# KiCad board uf2-batch-flasher.kicad_pcb (continued)
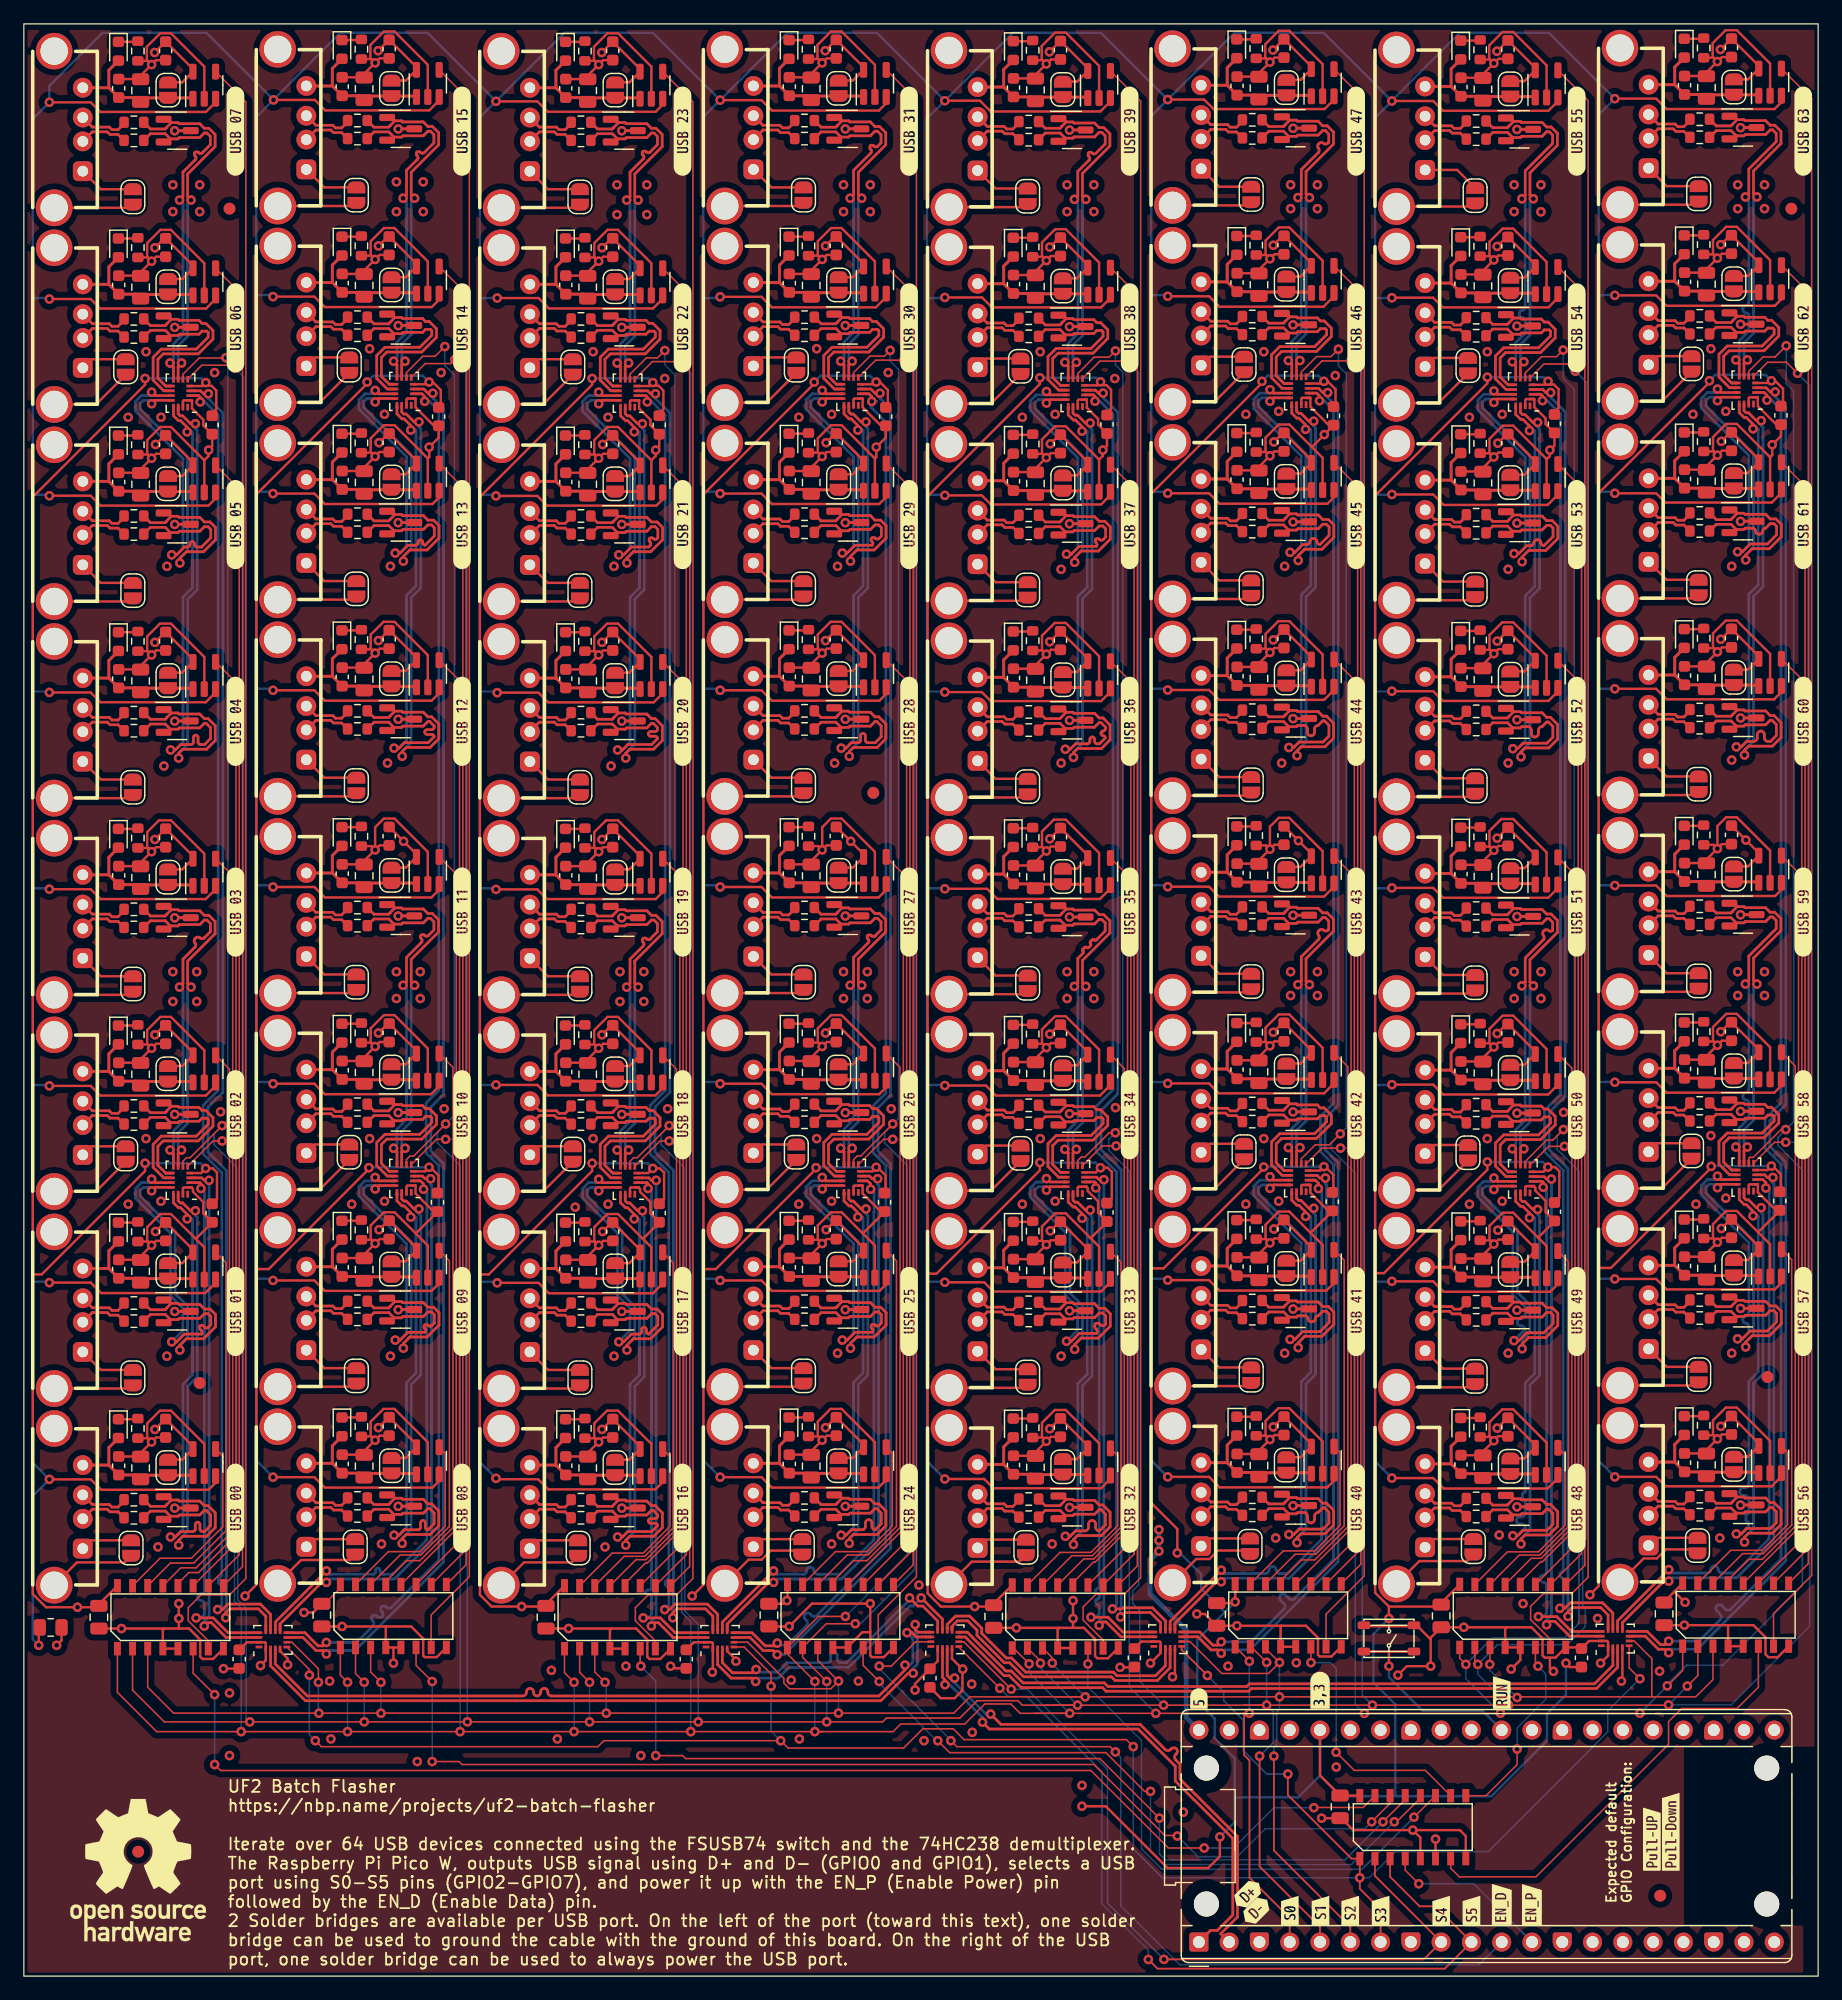
[diagram p0: board, top side]
## Placement (name value [footprint] x y rotation side) (continued)
D6202  PESD2USB3UVT-QR  [SOT-23-3]  106.67 155 0 top
D6301  Green  [LED_0603_1608Metric]  82.99 62.47 270 top
D6302  PESD2USB3UVT-QR  [SOT-23-3]  87.92 55.82 0 top
D6401  Green  [LED_0603_1608Metric]  82.99 161.51 270 top
D6402  PESD2USB3UVT-QR  [SOT-23-3]  87.92 154.85 0 top
D6601  Green  [LED_0603_1608Metric]  120.52 112.05 270 top
D6602  PESD2USB3UVT-QR  [SOT-23-3]  125.45 105.39 0 top
D6701  Green  [LED_0603_1608Metric]  120.52 128.54 270 top
D6702  PESD2USB3UVT-QR  [SOT-23-3]  125.45 121.88 0 top
D6801  Green  [LED_0603_1608Metric]  139.27 79.2 270 top
D6802  PESD2USB3UVT-QR  [SOT-23-3]  144.2 72.54 0 top
D6901  Green  [LED_0603_1608Metric]  120.52 62.52 270 top
D6902  PESD2USB3UVT-QR  [SOT-23-3]  125.45 55.87 0 top
D7001  Green  [LED_0603_1608Metric]  120.52 79.05 270 top
D7002  PESD2USB3UVT-QR  [SOT-23-3]  125.45 72.39 0 top
D7201  Green  [LED_0603_1608Metric]  139.27 112.19 270 top
D7202  PESD2USB3UVT-QR  [SOT-23-3]  144.2 105.54 0 top
D7301  Green  [LED_0603_1608Metric]  139.27 95.69 270 top
D7302  PESD2USB3UVT-QR  [SOT-23-3]  144.2 89.04 0 top
D7401  Green  [LED_0603_1608Metric]  120.52 161.56 270 top
D7402  PESD2USB3UVT-QR  [SOT-23-3]  125.45 154.9 0 top
D7501  Green  [LED_0603_1608Metric]  139.27 46.18 270 top
D7502  PESD2USB3UVT-QR  [SOT-23-3]  144.2 39.52 0 top
D7601  Green  [LED_0603_1608Metric]  139.27 145.22 270 top
D7602  PESD2USB3UVT-QR  [SOT-23-3]  144.2 138.56 0 top
D7701  Green  [LED_0603_1608Metric]  139.27 128.69 270 top
D7702  PESD2USB3UVT-QR  [SOT-23-3]  144.2 122.03 0 top
D7901  Green  [LED_0603_1608Metric]  120.52 145.07 270 top
D7902  PESD2USB3UVT-QR  [SOT-23-3]  125.45 138.41 0 top
D8001  Green  [LED_0603_1608Metric]  120.52 95.54 270 top
D8002  PESD2USB3UVT-QR  [SOT-23-3]  125.45 88.89 0 top
D8201  Green  [LED_0603_1608Metric]  139.27 62.67 270 top
D8202  PESD2USB3UVT-QR  [SOT-23-3]  144.2 56.02 0 top
D8301  Green  [LED_0603_1608Metric]  139.27 161.71 270 top
D8302  PESD2USB3UVT-QR  [SOT-23-3]  144.2 155.05 0 top
D8401  Green  [LED_0603_1608Metric]  120.52 46.03 270 top
D8402  PESD2USB3UVT-QR  [SOT-23-3]  125.45 39.37 0 top
FID101  Fiducial  [Fiducial_1mm_Mask2mm]  17.25 148.25 0 top
FID102  Fiducial  [Fiducial_1mm_Mask2mm]  148.25 148.25 0 top
FID103  Fiducial  [Fiducial_1mm_Mask2mm]  71.25 99.25 0 top
FID104  Fiducial  [Fiducial_1mm_Mask2mm]  146.25 50.25 0 top
FID105  Fiducial  [Fiducial_1mm_Mask2mm]  137.25 6.75 0 top
FID106  Fiducial  [Fiducial_1mm_Mask2mm]  14.75 49.75 0 top
FID107  Fiducial  [Fiducial_1mm_Mask2mm]  9.59 10.44 0 top
J401  USB_A  [USB A - GCT - USB1040 - Vertical]  4.94 39.36 270 top
J501  USB_A  [USB A - GCT - USB1040 - Vertical]  4.94 55.86 270 top
J601  USB_A  [USB A - GCT - USB1040 - Vertical]  4.94 72.39 270 top
J701  USB_A  [USB A - GCT - USB1040 - Vertical]  4.94 88.88 270 top
J901  USB_A  [USB A - GCT - USB1040 - Vertical]  4.94 121.87 270 top
J1001  USB_A  [USB A - GCT - USB1040 - Vertical]  4.94 105.38 270 top
J1101  USB_A  [USB A - GCT - USB1040 - Vertical]  4.94 138.4 270 top
J1201  USB_A  [USB A - GCT - USB1040 - Vertical]  4.94 154.89 270 top
J1401  USB_A  [USB A - GCT - USB1040 - Vertical]  23.69 72.54 270 top
J1501  USB_A  [USB A - GCT - USB1040 - Vertical]  23.69 89.03 270 top
J1601  USB_A  [USB A - GCT - USB1040 - Vertical]  23.69 39.51 270 top
J1701  USB_A  [USB A - GCT - USB1040 - Vertical]  23.69 56.01 270 top
J1901  USB_A  [USB A - GCT - USB1040 - Vertical]  23.69 155.04 270 top
J2001  USB_A  [USB A - GCT - USB1040 - Vertical]  23.69 138.55 270 top
J2101  USB_A  [USB A - GCT - USB1040 - Vertical]  23.69 122.02 270 top
J2201  USB_A  [USB A - GCT - USB1040 - Vertical]  23.69 105.53 270 top
J2401  USB_A  [USB A - GCT - USB1040 - Vertical]  42.44 105.38 270 top
J2501  USB_A  [USB A - GCT - USB1040 - Vertical]  61.19 138.55 270 top
J2601  USB_A  [USB A - GCT - USB1040 - Vertical]  61.19 122.02 270 top
J2801  USB_A  [USB A - GCT - USB1040 - Vertical]  61.19 89.03 270 top
J2901  USB_A  [USB A - GCT - USB1040 - Vertical]  61.19 39.51 270 top
J3001  USB_A  [USB A - GCT - USB1040 - Vertical]  42.44 138.4 270 top
J3201  USB_A  [USB A - GCT - USB1040 - Vertical]  61.19 72.54 270 top
J3301  USB_A  [USB A - GCT - USB1040 - Vertical]  61.19 56.01 270 top
J3401  USB_A  [USB A - GCT - USB1040 - Vertical]  42.44 55.86 270 top
J3601  USB_A  [USB A - GCT - USB1040 - Vertical]  42.44 39.36 270 top
J3701  USB_A  [USB A - GCT - USB1040 - Vertical]  42.44 154.89 270 top
J3801  USB_A  [USB A - GCT - USB1040 - Vertical]  42.44 121.87 270 top
J3901  USB_A  [USB A - GCT - USB1040 - Vertical]  42.44 72.39 270 top
J4101  USB_A  [USB A - GCT - USB1040 - Vertical]  42.44 88.88 270 top
J4201  USB_A  [USB A - GCT - USB1040 - Vertical]  61.19 155.04 270 top
J4301  USB_A  [USB A - GCT - USB1040 - Vertical]  61.19 105.53 270 top
J4501  USB_A  [USB A - GCT - USB1040 - Vertical]  98.75 72.59 270 top
J4601  USB_A  [USB A - GCT - USB1040 - Vertical]  98.75 56.06 270 top
J4701  USB_A  [USB A - GCT - USB1040 - Vertical]  98.75 122.08 270 top
J4901  USB_A  [USB A - GCT - USB1040 - Vertical]  80 39.42 270 top
J5101  USB_A  [USB A - GCT - USB1040 - Vertical]  80 105.43 270 top
J5301  USB_A  [USB A - GCT - USB1040 - Vertical]  98.75 89.08 270 top
J5401  USB_A  [USB A - GCT - USB1040 - Vertical]  98.75 39.57 270 top
J5501  USB_A  [USB A - GCT - USB1040 - Vertical]  80 121.93 270 top
J5601  USB_A  [USB A - GCT - USB1040 - Vertical]  80 138.46 270 top
J5701  USB_A  [USB A - GCT - USB1040 - Vertical]  98.75 105.58 270 top
J5801  USB_A  [USB A - GCT - USB1040 - Vertical]  98.75 138.61 270 top
J6001  USB_A  [USB A - GCT - USB1040 - Vertical]  80 72.44 270 top
J6101  USB_A  [USB A - GCT - USB1040 - Vertical]  80 88.93 270 top
J6201  USB_A  [USB A - GCT - USB1040 - Vertical]  98.75 155.1 270 top
J6301  USB_A  [USB A - GCT - USB1040 - Vertical]  80 55.91 270 top
J6401  USB_A  [USB A - GCT - USB1040 - Vertical]  80 154.95 270 top
J6601  USB_A  [USB A - GCT - USB1040 - Vertical]  117.53 105.48 270 top
J6701  USB_A  [USB A - GCT - USB1040 - Vertical]  117.53 121.98 270 top
J6801  USB_A  [USB A - GCT - USB1040 - Vertical]  136.28 72.64 270 top
J6901  USB_A  [USB A - GCT - USB1040 - Vertical]  117.53 55.96 270 top
J7001  USB_A  [USB A - GCT - USB1040 - Vertical]  117.53 72.49 270 top
J7201  USB_A  [USB A - GCT - USB1040 - Vertical]  136.28 105.63 270 top
J7301  USB_A  [USB A - GCT - USB1040 - Vertical]  136.28 89.13 270 top
J7401  USB_A  [USB A - GCT - USB1040 - Vertical]  117.53 155 270 top
J7501  USB_A  [USB A - GCT - USB1040 - Vertical]  136.28 39.62 270 top
J7601  USB_A  [USB A - GCT - USB1040 - Vertical]  136.28 138.66 270 top
J7701  USB_A  [USB A - GCT - USB1040 - Vertical]  136.28 122.13 270 top
J7901  USB_A  [USB A - GCT - USB1040 - Vertical]  117.53 138.51 270 top
J8001  USB_A  [USB A - GCT - USB1040 - Vertical]  117.53 88.98 270 top
J8201  USB_A  [USB A - GCT - USB1040 - Vertical]  136.28 56.11 270 top
J8301  USB_A  [USB A - GCT - USB1040 - Vertical]  136.28 155.15 270 top
J8401  USB_A  [USB A - GCT - USB1040 - Vertical]  117.53 39.47 270 top
JP401  SolderJumper_2_Open  [SolderJumper-2_P1.3mm_Open_RoundedPad1.0x1.5mm]  8.99 35.91 270 top
JP402  SolderJumper_2_Open  [SolderJumper-2_P1.3mm_Open_RoundedPad1.0x1.5mm]  12.09 42.66 90 top
JP501  SolderJumper_2_Open  [SolderJumper-2_P1.3mm_Open_RoundedPad1.0x1.5mm]  9.14 50.2 270 top
JP502  SolderJumper_2_Open  [SolderJumper-2_P1.3mm_Open_RoundedPad1.0x1.5mm]  12.09 59.16 90 top
JP601  SolderJumper_2_Open  [SolderJumper-2_P1.3mm_Open_RoundedPad1.0x1.5mm]  8.54 68.96 270 top
JP602  SolderJumper_2_Open  [SolderJumper-2_P1.3mm_Open_RoundedPad1.0x1.5mm]  12.09 75.69 90 top
JP701  SolderJumper_2_Open  [SolderJumper-2_P1.3mm_Open_RoundedPad1.0x1.5mm]  9.14 83.22 270 top
JP702  SolderJumper_2_Open  [SolderJumper-2_P1.3mm_Open_RoundedPad1.0x1.5mm]  12.09 92.18 90 top
JP901  SolderJumper_2_Open  [SolderJumper-2_P1.3mm_Open_RoundedPad1.0x1.5mm]  9.14 116.21 270 top
JP902  SolderJumper_2_Open  [SolderJumper-2_P1.3mm_Open_RoundedPad1.0x1.5mm]  12.09 125.17 90 top
JP1001  SolderJumper_2_Open  [SolderJumper-2_P1.3mm_Open_RoundedPad1.0x1.5mm]  9.14 99.72 270 top
JP1002  SolderJumper_2_Open  [SolderJumper-2_P1.3mm_Open_RoundedPad1.0x1.5mm]  12.09 108.68 90 top
JP1101  SolderJumper_2_Open  [SolderJumper-2_P1.3mm_Open_RoundedPad1.0x1.5mm]  8.54 134.97 270 top
JP1102  SolderJumper_2_Open  [SolderJumper-2_P1.3mm_Open_RoundedPad1.0x1.5mm]  12.09 141.7 90 top
JP1201  SolderJumper_2_Open  [SolderJumper-2_P1.3mm_Open_RoundedPad1.0x1.5mm]  9.14 149.23 270 top
JP1202  SolderJumper_2_Open  [SolderJumper-2_P1.3mm_Open_RoundedPad1.0x1.5mm]  12.09 158.19 90 top
JP1401  SolderJumper_2_Open  [SolderJumper-2_P1.3mm_Open_RoundedPad1.0x1.5mm]  27.29 69.11 270 top
JP1402  SolderJumper_2_Open  [SolderJumper-2_P1.3mm_Open_RoundedPad1.0x1.5mm]  30.84 75.84 90 top
JP1501  SolderJumper_2_Open  [SolderJumper-2_P1.3mm_Open_RoundedPad1.0x1.5mm]  27.89 83.37 270 top
JP1502  SolderJumper_2_Open  [SolderJumper-2_P1.3mm_Open_RoundedPad1.0x1.5mm]  30.84 92.33 90 top
JP1601  SolderJumper_2_Open  [SolderJumper-2_P1.3mm_Open_RoundedPad1.0x1.5mm]  27.79 36.01 270 top
JP1602  SolderJumper_2_Open  [SolderJumper-2_P1.3mm_Open_RoundedPad1.0x1.5mm]  30.84 42.81 90 top
JP1701  SolderJumper_2_Open  [SolderJumper-2_P1.3mm_Open_RoundedPad1.0x1.5mm]  27.89 50.35 270 top
JP1702  SolderJumper_2_Open  [SolderJumper-2_P1.3mm_Open_RoundedPad1.0x1.5mm]  30.84 59.31 90 top
JP1901  SolderJumper_2_Open  [SolderJumper-2_P1.3mm_Open_RoundedPad1.0x1.5mm]  27.89 149.38 270 top
JP1902  SolderJumper_2_Open  [SolderJumper-2_P1.3mm_Open_RoundedPad1.0x1.5mm]  30.84 158.34 90 top
JP2001  SolderJumper_2_Open  [SolderJumper-2_P1.3mm_Open_RoundedPad1.0x1.5mm]  27.29 135.12 270 top
JP2002  SolderJumper_2_Open  [SolderJumper-2_P1.3mm_Open_RoundedPad1.0x1.5mm]  30.84 141.85 90 top
JP2101  SolderJumper_2_Open  [SolderJumper-2_P1.3mm_Open_RoundedPad1.0x1.5mm]  27.89 116.36 270 top
JP2102  SolderJumper_2_Open  [SolderJumper-2_P1.3mm_Open_RoundedPad1.0x1.5mm]  30.84 125.32 90 top
JP2201  SolderJumper_2_Open  [SolderJumper-2_P1.3mm_Open_RoundedPad1.0x1.5mm]  27.89 99.87 270 top
JP2202  SolderJumper_2_Open  [SolderJumper-2_P1.3mm_Open_RoundedPad1.0x1.5mm]  30.84 108.83 90 top
JP2401  SolderJumper_2_Open  [SolderJumper-2_P1.3mm_Open_RoundedPad1.0x1.5mm]  46.64 99.72 270 top
JP2402  SolderJumper_2_Open  [SolderJumper-2_P1.3mm_Open_RoundedPad1.0x1.5mm]  49.59 108.68 90 top
JP2501  SolderJumper_2_Open  [SolderJumper-2_P1.3mm_Open_RoundedPad1.0x1.5mm]  64.79 135.12 270 top
JP2502  SolderJumper_2_Open  [SolderJumper-2_P1.3mm_Open_RoundedPad1.0x1.5mm]  68.34 141.85 90 top
JP2601  SolderJumper_2_Open  [SolderJumper-2_P1.3mm_Open_RoundedPad1.0x1.5mm]  65.39 116.36 270 top
JP2602  SolderJumper_2_Open  [SolderJumper-2_P1.3mm_Open_RoundedPad1.0x1.5mm]  68.34 125.32 90 top
JP2801  SolderJumper_2_Open  [SolderJumper-2_P1.3mm_Open_RoundedPad1.0x1.5mm]  65.39 83.37 270 top
JP2802  SolderJumper_2_Open  [SolderJumper-2_P1.3mm_Open_RoundedPad1.0x1.5mm]  68.34 92.33 90 top
JP2901  SolderJumper_2_Open  [SolderJumper-2_P1.3mm_Open_RoundedPad1.0x1.5mm]  65.29 36.01 270 top
JP2902  SolderJumper_2_Open  [SolderJumper-2_P1.3mm_Open_RoundedPad1.0x1.5mm]  68.34 42.81 90 top
JP3001  SolderJumper_2_Open  [SolderJumper-2_P1.3mm_Open_RoundedPad1.0x1.5mm]  46.04 134.97 270 top
JP3002  SolderJumper_2_Open  [SolderJumper-2_P1.3mm_Open_RoundedPad1.0x1.5mm]  49.59 141.7 90 top
JP3201  SolderJumper_2_Open  [SolderJumper-2_P1.3mm_Open_RoundedPad1.0x1.5mm]  64.79 69.11 270 top
JP3202  SolderJumper_2_Open  [SolderJumper-2_P1.3mm_Open_RoundedPad1.0x1.5mm]  68.34 75.84 90 top
JP3301  SolderJumper_2_Open  [SolderJumper-2_P1.3mm_Open_RoundedPad1.0x1.5mm]  65.39 50.35 270 top
JP3302  SolderJumper_2_Open  [SolderJumper-2_P1.3mm_Open_RoundedPad1.0x1.5mm]  68.34 59.31 90 top
JP3401  SolderJumper_2_Open  [SolderJumper-2_P1.3mm_Open_RoundedPad1.0x1.5mm]  46.64 50.2 270 top
JP3402  SolderJumper_2_Open  [SolderJumper-2_P1.3mm_Open_RoundedPad1.0x1.5mm]  49.59 59.16 90 top
JP3601  SolderJumper_2_Open  [SolderJumper-2_P1.3mm_Open_RoundedPad1.0x1.5mm]  46.49 35.91 270 top
JP3602  SolderJumper_2_Open  [SolderJumper-2_P1.3mm_Open_RoundedPad1.0x1.5mm]  49.59 42.66 90 top
JP3701  SolderJumper_2_Open  [SolderJumper-2_P1.3mm_Open_RoundedPad1.0x1.5mm]  46.64 149.23 270 top
JP3702  SolderJumper_2_Open  [SolderJumper-2_P1.3mm_Open_RoundedPad1.0x1.5mm]  49.59 158.19 90 top
JP3801  SolderJumper_2_Open  [SolderJumper-2_P1.3mm_Open_RoundedPad1.0x1.5mm]  46.64 116.21 270 top
JP3802  SolderJumper_2_Open  [SolderJumper-2_P1.3mm_Open_RoundedPad1.0x1.5mm]  49.59 125.17 90 top
JP3901  SolderJumper_2_Open  [SolderJumper-2_P1.3mm_Open_RoundedPad1.0x1.5mm]  46.04 68.96 270 top
JP3902  SolderJumper_2_Open  [SolderJumper-2_P1.3mm_Open_RoundedPad1.0x1.5mm]  49.59 75.69 90 top
JP4101  SolderJumper_2_Open  [SolderJumper-2_P1.3mm_Open_RoundedPad1.0x1.5mm]  46.64 83.22 270 top
JP4102  SolderJumper_2_Open  [SolderJumper-2_P1.3mm_Open_RoundedPad1.0x1.5mm]  49.59 92.18 90 top
JP4201  SolderJumper_2_Open  [SolderJumper-2_P1.3mm_Open_RoundedPad1.0x1.5mm]  65.39 149.38 270 top
JP4202  SolderJumper_2_Open  [SolderJumper-2_P1.3mm_Open_RoundedPad1.0x1.5mm]  68.34 158.34 90 top
JP4301  SolderJumper_2_Open  [SolderJumper-2_P1.3mm_Open_RoundedPad1.0x1.5mm]  65.39 99.87 270 top
JP4302  SolderJumper_2_Open  [SolderJumper-2_P1.3mm_Open_RoundedPad1.0x1.5mm]  68.34 108.83 90 top
JP4501  SolderJumper_2_Open  [SolderJumper-2_P1.3mm_Open_RoundedPad1.0x1.5mm]  102.35 69.16 270 top
JP4502  SolderJumper_2_Open  [SolderJumper-2_P1.3mm_Open_RoundedPad1.0x1.5mm]  105.9 75.89 90 top
JP4601  SolderJumper_2_Open  [SolderJumper-2_P1.3mm_Open_RoundedPad1.0x1.5mm]  102.95 50.4 270 top
JP4602  SolderJumper_2_Open  [SolderJumper-2_P1.3mm_Open_RoundedPad1.0x1.5mm]  105.9 59.36 90 top
JP4701  SolderJumper_2_Open  [SolderJumper-2_P1.3mm_Open_RoundedPad1.0x1.5mm]  102.95 116.42 270 top
JP4702  SolderJumper_2_Open  [SolderJumper-2_P1.3mm_Open_RoundedPad1.0x1.5mm]  105.9 125.38 90 top
JP4901  SolderJumper_2_Open  [SolderJumper-2_P1.3mm_Open_RoundedPad1.0x1.5mm]  84.05 35.96 270 top
JP4902  SolderJumper_2_Open  [SolderJumper-2_P1.3mm_Open_RoundedPad1.0x1.5mm]  87.15 42.72 90 top
JP5101  SolderJumper_2_Open  [SolderJumper-2_P1.3mm_Open_RoundedPad1.0x1.5mm]  84.2 99.77 270 top
JP5102  SolderJumper_2_Open  [SolderJumper-2_P1.3mm_Open_RoundedPad1.0x1.5mm]  87.15 108.73 90 top
JP5301  SolderJumper_2_Open  [SolderJumper-2_P1.3mm_Open_RoundedPad1.0x1.5mm]  102.95 83.42 270 top
JP5302  SolderJumper_2_Open  [SolderJumper-2_P1.3mm_Open_RoundedPad1.0x1.5mm]  105.9 92.38 90 top
JP5401  SolderJumper_2_Open  [SolderJumper-2_P1.3mm_Open_RoundedPad1.0x1.5mm]  102.85 36.06 270 top
JP5402  SolderJumper_2_Open  [SolderJumper-2_P1.3mm_Open_RoundedPad1.0x1.5mm]  105.9 42.87 90 top
JP5501  SolderJumper_2_Open  [SolderJumper-2_P1.3mm_Open_RoundedPad1.0x1.5mm]  84.2 116.27 270 top
JP5502  SolderJumper_2_Open  [SolderJumper-2_P1.3mm_Open_RoundedPad1.0x1.5mm]  87.15 125.23 90 top
JP5601  SolderJumper_2_Open  [SolderJumper-2_P1.3mm_Open_RoundedPad1.0x1.5mm]  83.6 135.03 270 top
JP5602  SolderJumper_2_Open  [SolderJumper-2_P1.3mm_Open_RoundedPad1.0x1.5mm]  87.15 141.76 90 top
JP5701  SolderJumper_2_Open  [SolderJumper-2_P1.3mm_Open_RoundedPad1.0x1.5mm]  102.95 99.92 270 top
JP5702  SolderJumper_2_Open  [SolderJumper-2_P1.3mm_Open_RoundedPad1.0x1.5mm]  105.9 108.88 90 top
JP5801  SolderJumper_2_Open  [SolderJumper-2_P1.3mm_Open_RoundedPad1.0x1.5mm]  102.35 135.18 270 top
JP5802  SolderJumper_2_Open  [SolderJumper-2_P1.3mm_Open_RoundedPad1.0x1.5mm]  105.9 141.91 90 top
JP6001  SolderJumper_2_Open  [SolderJumper-2_P1.3mm_Open_RoundedPad1.0x1.5mm]  83.6 69.01 270 top
JP6002  SolderJumper_2_Open  [SolderJumper-2_P1.3mm_Open_RoundedPad1.0x1.5mm]  87.15 75.74 90 top
JP6101  SolderJumper_2_Open  [SolderJumper-2_P1.3mm_Open_RoundedPad1.0x1.5mm]  84.2 83.27 270 top
JP6102  SolderJumper_2_Open  [SolderJumper-2_P1.3mm_Open_RoundedPad1.0x1.5mm]  87.15 92.23 90 top
JP6201  SolderJumper_2_Open  [SolderJumper-2_P1.3mm_Open_RoundedPad1.0x1.5mm]  102.95 149.44 270 top
JP6202  SolderJumper_2_Open  [SolderJumper-2_P1.3mm_Open_RoundedPad1.0x1.5mm]  105.9 158.4 90 top
JP6301  SolderJumper_2_Open  [SolderJumper-2_P1.3mm_Open_RoundedPad1.0x1.5mm]  84.2 50.25 270 top
JP6302  SolderJumper_2_Open  [SolderJumper-2_P1.3mm_Open_RoundedPad1.0x1.5mm]  87.15 59.21 90 top
JP6401  SolderJumper_2_Open  [SolderJumper-2_P1.3mm_Open_RoundedPad1.0x1.5mm]  84.2 149.29 270 top
JP6402  SolderJumper_2_Open  [SolderJumper-2_P1.3mm_Open_RoundedPad1.0x1.5mm]  87.15 158.25 90 top
JP6601  SolderJumper_2_Open  [SolderJumper-2_P1.3mm_Open_RoundedPad1.0x1.5mm]  121.73 99.83 270 top
JP6602  SolderJumper_2_Open  [SolderJumper-2_P1.3mm_Open_RoundedPad1.0x1.5mm]  124.68 108.78 90 top
JP6701  SolderJumper_2_Open  [SolderJumper-2_P1.3mm_Open_RoundedPad1.0x1.5mm]  121.73 116.32 270 top
JP6702  SolderJumper_2_Open  [SolderJumper-2_P1.3mm_Open_RoundedPad1.0x1.5mm]  124.68 125.28 90 top
JP6801  SolderJumper_2_Open  [SolderJumper-2_P1.3mm_Open_RoundedPad1.0x1.5mm]  139.88 69.21 270 top
JP6802  SolderJumper_2_Open  [SolderJumper-2_P1.3mm_Open_RoundedPad1.0x1.5mm]  143.43 75.94 90 top
JP6901  SolderJumper_2_Open  [SolderJumper-2_P1.3mm_Open_RoundedPad1.0x1.5mm]  121.73 50.3 270 top
JP6902  SolderJumper_2_Open  [SolderJumper-2_P1.3mm_Open_RoundedPad1.0x1.5mm]  124.68 59.26 90 top
JP7001  SolderJumper_2_Open  [SolderJumper-2_P1.3mm_Open_RoundedPad1.0x1.5mm]  121.13 69.06 270 top
JP7002  SolderJumper_2_Open  [SolderJumper-2_P1.3mm_Open_RoundedPad1.0x1.5mm]  124.68 75.79 90 top
JP7201  SolderJumper_2_Open  [SolderJumper-2_P1.3mm_Open_RoundedPad1.0x1.5mm]  140.48 99.97 270 top
JP7202  SolderJumper_2_Open  [SolderJumper-2_P1.3mm_Open_RoundedPad1.0x1.5mm]  143.43 108.94 90 top
JP7301  SolderJumper_2_Open  [SolderJumper-2_P1.3mm_Open_RoundedPad1.0x1.5mm]  140.48 83.47 270 top
JP7302  SolderJumper_2_Open  [SolderJumper-2_P1.3mm_Open_RoundedPad1.0x1.5mm]  143.43 92.44 90 top
JP7401  SolderJumper_2_Open  [SolderJumper-2_P1.3mm_Open_RoundedPad1.0x1.5mm]  121.73 149.34 270 top
JP7402  SolderJumper_2_Open  [SolderJumper-2_P1.3mm_Open_RoundedPad1.0x1.5mm]  124.68 158.3 90 top
JP7501  SolderJumper_2_Open  [SolderJumper-2_P1.3mm_Open_RoundedPad1.0x1.5mm]  140.38 36.11 270 top
JP7502  SolderJumper_2_Open  [SolderJumper-2_P1.3mm_Open_RoundedPad1.0x1.5mm]  143.43 42.92 90 top
JP7601  SolderJumper_2_Open  [SolderJumper-2_P1.3mm_Open_RoundedPad1.0x1.5mm]  139.88 135.23 270 top
JP7602  SolderJumper_2_Open  [SolderJumper-2_P1.3mm_Open_RoundedPad1.0x1.5mm]  143.43 141.96 90 top
JP7701  SolderJumper_2_Open  [SolderJumper-2_P1.3mm_Open_RoundedPad1.0x1.5mm]  140.48 116.47 270 top
JP7702  SolderJumper_2_Open  [SolderJumper-2_P1.3mm_Open_RoundedPad1.0x1.5mm]  143.43 125.43 90 top
JP7901  SolderJumper_2_Open  [SolderJumper-2_P1.3mm_Open_RoundedPad1.0x1.5mm]  121.13 135.08 270 top
JP7902  SolderJumper_2_Open  [SolderJumper-2_P1.3mm_Open_RoundedPad1.0x1.5mm]  124.68 141.81 90 top
JP8001  SolderJumper_2_Open  [SolderJumper-2_P1.3mm_Open_RoundedPad1.0x1.5mm]  121.73 83.32 270 top
JP8002  SolderJumper_2_Open  [SolderJumper-2_P1.3mm_Open_RoundedPad1.0x1.5mm]  124.68 92.28 90 top
JP8201  SolderJumper_2_Open  [SolderJumper-2_P1.3mm_Open_RoundedPad1.0x1.5mm]  140.48 50.46 270 top
JP8202  SolderJumper_2_Open  [SolderJumper-2_P1.3mm_Open_RoundedPad1.0x1.5mm]  143.43 59.41 90 top
JP8301  SolderJumper_2_Open  [SolderJumper-2_P1.3mm_Open_RoundedPad1.0x1.5mm]  140.48 149.49 270 top
JP8302  SolderJumper_2_Open  [SolderJumper-2_P1.3mm_Open_RoundedPad1.0x1.5mm]  143.43 158.45 90 top
JP8401  SolderJumper_2_Open  [SolderJumper-2_P1.3mm_Open_RoundedPad1.0x1.5mm]  121.58 36.01 270 top
JP8402  SolderJumper_2_Open  [SolderJumper-2_P1.3mm_Open_RoundedPad1.0x1.5mm]  124.68 42.77 90 top
kibuzzard-652C6B7F  G***  [kibuzzard-652C6B7F]  138.14 12.12 90 top
kibuzzard-652C6B72  G***  [kibuzzard-652C6B72]  136.55 11.49 90 top
kibuzzard-652C6BB1  G***  [kibuzzard-652C6BB1]  102.65 6.87 45 top
kibuzzard-652C6BBD  G***  [kibuzzard-652C6BBD]  103.37 5.49 45 top
kibuzzard-652C6C3D  G***  [kibuzzard-652C6C3D]  108.76 5.52 90 top
kibuzzard-652C6C4A  G***  [kibuzzard-652C6C4A]  106.19 5.52 90 top
kibuzzard-652C6C58  G***  [kibuzzard-652C6C58]  111.25 5.52 90 top
kibuzzard-652C6C74  G***  [kibuzzard-652C6C74]  113.8 5.52 90 top
kibuzzard-652C6C94  G***  [kibuzzard-652C6C94]  118.88 5.52 90 top
kibuzzard-652C6CAC  G***  [kibuzzard-652C6CAC]  121.42 5.52 90 top
kibuzzard-652C6CE5  G***  [kibuzzard-652C6CE5]  123.96 6.02 90 top
kibuzzard-652C6D02  G***  [kibuzzard-652C6D02]  126.49 6.01 90 top
kibuzzard-652C6D83  G***  [kibuzzard-652C6D83]  123.96 23.79 90 top
kibuzzard-652C6DB4  G***  [kibuzzard-652C6DB4]  108.72 23.98 90 top
kibuzzard-652C6DDB  G***  [kibuzzard-652C6DDB]  98.56 23.29 90 top
kibuzzard-652C11D0  G***  [kibuzzard-652C11D0]  17.75 154.75 90 top
kibuzzard-652C11D9  G***  [kibuzzard-652C11D9]  17.75 138.25 90 top
kibuzzard-652C11EE  G***  [kibuzzard-652C11EE]  17.75 121.75 90 top
kibuzzard-652C11F7  G***  [kibuzzard-652C11F7]  17.75 105.25 90 top
kibuzzard-652C12E1  G***  [kibuzzard-652C12E1]  36.75 39.25 90 top
kibuzzard-652C13A5  G***  [kibuzzard-652C13A5]  74.25 55.75 90 top
kibuzzard-652C13AB  G***  [kibuzzard-652C13AB]  74.25 72.25 90 top
kibuzzard-652C13B3  G***  [kibuzzard-652C13B3]  74.25 89.25 90 top
kibuzzard-652C13C1  G***  [kibuzzard-652C13C1]  74.25 105.25 90 top
kibuzzard-652C13C6  G***  [kibuzzard-652C13C6]  74.25 121.75 90 top
kibuzzard-652C13CF  G***  [kibuzzard-652C13CF]  74.25 138.25 90 top
kibuzzard-652C13D6  G***  [kibuzzard-652C13D6]  74.25 154.75 90 top
kibuzzard-652C13E2  G***  [kibuzzard-652C13E2]  92.75 39.25 90 top
kibuzzard-652C13E8  G***  [kibuzzard-652C13E8]  92.75 55.75 90 top
kibuzzard-652C13EE  G***  [kibuzzard-652C13EE]  92.75 72.25 90 top
kibuzzard-652C13F4  G***  [kibuzzard-652C13F4]  92.75 89.25 90 top
kibuzzard-652C13FB  G***  [kibuzzard-652C13FB]  92.75 105.25 90 top
kibuzzard-652C13FF  G***  [kibuzzard-652C13FF]  92.75 121.75 90 top
kibuzzard-652C14A0  G***  [kibuzzard-652C14A0]  149.25 89.25 90 top
kibuzzard-652C14A5  G***  [kibuzzard-652C14A5]  149.25 105.25 90 top
kibuzzard-652C14AA  G***  [kibuzzard-652C14AA]  149.25 121.75 90 top
kibuzzard-652C14B3  G***  [kibuzzard-652C14B3]  149.25 138.25 90 top
kibuzzard-652C14C1  G***  [kibuzzard-652C14C1]  149.25 154.75 90 top
kibuzzard-652C121B  G***  [kibuzzard-652C121B]  17.75 55.75 90 top
kibuzzard-652C130C  G***  [kibuzzard-652C130C]  36.75 72.25 90 top
kibuzzard-652C131C  G***  [kibuzzard-652C131C]  36.75 105.25 90 top
kibuzzard-652C132A  G***  [kibuzzard-652C132A]  36.75 138.25 90 top
kibuzzard-652C133D  G***  [kibuzzard-652C133D]  36.75 154.75 90 top
kibuzzard-652C139E  G***  [kibuzzard-652C139E]  74.25 39.25 90 top
kibuzzard-652C140E  G***  [kibuzzard-652C140E]  92.75 154.75 90 top
kibuzzard-652C142B  G***  [kibuzzard-652C142B]  111.75 72.25 90 top
kibuzzard-652C143C  G***  [kibuzzard-652C143C]  111.75 121.75 90 top
kibuzzard-652C145D  G***  [kibuzzard-652C145D]  130.25 72.25 90 top
kibuzzard-652C147C  G***  [kibuzzard-652C147C]  130.25 154.75 90 top
kibuzzard-652C148E  G***  [kibuzzard-652C148E]  149.25 39.25 90 top
kibuzzard-652C1210  G***  [kibuzzard-652C1210]  17.75 72.25 90 top
kibuzzard-652C1225  G***  [kibuzzard-652C1225]  17.75 39.25 90 top
kibuzzard-652C1235  G***  [kibuzzard-652C1235]  17.75 89.25 90 top
kibuzzard-652C1305  G***  [kibuzzard-652C1305]  36.75 55.75 90 top
kibuzzard-652C1312  G***  [kibuzzard-652C1312]  36.75 89.25 90 top
kibuzzard-652C1332  G***  [kibuzzard-652C1332]  36.75 121.75 90 top
kibuzzard-652C1349  G***  [kibuzzard-652C1349]  55.25 39.25 90 top
kibuzzard-652C1351  G***  [kibuzzard-652C1351]  55.25 55.75 90 top
kibuzzard-652C1359  G***  [kibuzzard-652C1359]  55.25 72.25 90 top
kibuzzard-652C1366  G***  [kibuzzard-652C1366]  55.25 89.25 90 top
kibuzzard-652C1370  G***  [kibuzzard-652C1370]  55.25 105.25 90 top
kibuzzard-652C1379  G***  [kibuzzard-652C1379]  55.25 121.75 90 top
kibuzzard-652C1380  G***  [kibuzzard-652C1380]  55.25 138.25 90 top
kibuzzard-652C1387  G***  [kibuzzard-652C1387]  55.25 154.75 90 top
kibuzzard-652C1406  G***  [kibuzzard-652C1406]  92.75 138.25 90 top
kibuzzard-652C1420  G***  [kibuzzard-652C1420]  111.75 39.25 90 top
kibuzzard-652C1426  G***  [kibuzzard-652C1426]  111.75 55.75 90 top
kibuzzard-652C1431  G***  [kibuzzard-652C1431]  111.75 89.25 90 top
kibuzzard-652C1437  G***  [kibuzzard-652C1437]  111.75 105.25 90 top
kibuzzard-652C1443  G***  [kibuzzard-652C1443]  111.75 138.25 90 top
kibuzzard-652C1448  G***  [kibuzzard-652C1448]  111.75 154.75 90 top
kibuzzard-652C1451  G***  [kibuzzard-652C1451]  130.25 39.25 90 top
kibuzzard-652C1457  G***  [kibuzzard-652C1457]  130.25 55.75 90 top
kibuzzard-652C1462  G***  [kibuzzard-652C1462]  130.25 89.25 90 top
kibuzzard-652C1468  G***  [kibuzzard-652C1468]  130.25 105.25 90 top
kibuzzard-652C1471  G***  [kibuzzard-652C1471]  130.25 121.75 90 top
kibuzzard-652C1477  G***  [kibuzzard-652C1477]  130.25 138.25 90 top
kibuzzard-652C1494  G***  [kibuzzard-652C1494]  149.25 55.75 90 top
kibuzzard-652C1499  G***  [kibuzzard-652C1499]  149.25 72.25 90 top
R101  10 kOhm  [R_0805_2012Metric]  2.25 29.25 180 top
R401  120 Ohm  [R_0603_1608Metric]  9.56 45.94 270 top
R403  2.2 Ohm  [R_0603_1608Metric]  9.23 38.44 0 top
R404  2.2 Ohm  [R_0603_1608Metric]  9.23 39.96 0 top
R502  120 Ohm  [R_0603_1608Metric]  9.56 62.44 270 top
R503  2.2 Ohm  [R_0603_1608Metric]  9.23 54.94 0 top
R504  2.2 Ohm  [R_0603_1608Metric]  9.23 56.46 0 top
R602  120 Ohm  [R_0603_1608Metric]  9.56 78.97 270 top
R603  2.2 Ohm  [R_0603_1608Metric]  9.23 71.47 0 top
R604  2.2 Ohm  [R_0603_1608Metric]  9.23 72.99 0 top
R702  120 Ohm  [R_0603_1608Metric]  9.56 95.46 270 top
R703  2.2 Ohm  [R_0603_1608Metric]  9.23 87.96 0 top
R704  2.2 Ohm  [R_0603_1608Metric]  9.23 89.48 0 top
R902  120 Ohm  [R_0603_1608Metric]  9.56 128.45 270 top
R903  2.2 Ohm  [R_0603_1608Metric]  9.23 120.95 0 top
R904  2.2 Ohm  [R_0603_1608Metric]  9.23 122.47 0 top
R1002  120 Ohm  [R_0603_1608Metric]  9.56 111.96 270 top
R1003  2.2 Ohm  [R_0603_1608Metric]  9.23 104.46 0 top
R1004  2.2 Ohm  [R_0603_1608Metric]  9.23 105.98 0 top
R1102  120 Ohm  [R_0603_1608Metric]  9.56 144.98 270 top
R1103  2.2 Ohm  [R_0603_1608Metric]  9.23 137.48 0 top
R1104  2.2 Ohm  [R_0603_1608Metric]  9.23 139 0 top
R1202  120 Ohm  [R_0603_1608Metric]  9.56 161.47 270 top
R1203  2.2 Ohm  [R_0603_1608Metric]  9.23 153.97 0 top
R1204  2.2 Ohm  [R_0603_1608Metric]  9.23 155.49 0 top
R1402  120 Ohm  [R_0603_1608Metric]  28.31 79.12 270 top
R1403  2.2 Ohm  [R_0603_1608Metric]  27.98 71.62 0 top
R1404  2.2 Ohm  [R_0603_1608Metric]  27.98 73.14 0 top
R1502  120 Ohm  [R_0603_1608Metric]  28.31 95.61 270 top
R1503  2.2 Ohm  [R_0603_1608Metric]  27.98 88.11 0 top
R1504  2.2 Ohm  [R_0603_1608Metric]  27.98 89.63 0 top
R1602  120 Ohm  [R_0603_1608Metric]  28.31 46.09 270 top
R1603  2.2 Ohm  [R_0603_1608Metric]  27.98 38.59 0 top
R1604  2.2 Ohm  [R_0603_1608Metric]  27.98 40.11 0 top
R1702  120 Ohm  [R_0603_1608Metric]  28.31 62.59 270 top
R1703  2.2 Ohm  [R_0603_1608Metric]  27.98 55.09 0 top
R1704  2.2 Ohm  [R_0603_1608Metric]  27.98 56.61 0 top
R1902  120 Ohm  [R_0603_1608Metric]  28.31 161.62 270 top
R1903  2.2 Ohm  [R_0603_1608Metric]  27.98 154.12 0 top
R1904  2.2 Ohm  [R_0603_1608Metric]  27.98 155.64 0 top
R2002  120 Ohm  [R_0603_1608Metric]  28.31 145.13 270 top
R2003  2.2 Ohm  [R_0603_1608Metric]  27.98 137.63 0 top
R2004  2.2 Ohm  [R_0603_1608Metric]  27.98 139.15 0 top
R2102  120 Ohm  [R_0603_1608Metric]  28.31 128.6 270 top
R2103  2.2 Ohm  [R_0603_1608Metric]  27.98 121.1 0 top
R2104  2.2 Ohm  [R_0603_1608Metric]  27.98 122.62 0 top
R2202  120 Ohm  [R_0603_1608Metric]  28.31 112.11 270 top
R2203  2.2 Ohm  [R_0603_1608Metric]  27.98 104.61 0 top
R2204  2.2 Ohm  [R_0603_1608Metric]  27.98 106.13 0 top
R2402  120 Ohm  [R_0603_1608Metric]  47.06 111.96 270 top
R2403  2.2 Ohm  [R_0603_1608Metric]  46.73 104.46 0 top
R2404  2.2 Ohm  [R_0603_1608Metric]  46.73 105.98 0 top
R2502  120 Ohm  [R_0603_1608Metric]  65.81 145.13 270 top
R2503  2.2 Ohm  [R_0603_1608Metric]  65.48 137.63 0 top
R2504  2.2 Ohm  [R_0603_1608Metric]  65.48 139.15 0 top
R2602  120 Ohm  [R_0603_1608Metric]  65.81 128.6 270 top
R2603  2.2 Ohm  [R_0603_1608Metric]  65.48 121.1 0 top
R2604  2.2 Ohm  [R_0603_1608Metric]  65.48 122.62 0 top
R2802  120 Ohm  [R_0603_1608Metric]  65.81 95.61 270 top
R2803  2.2 Ohm  [R_0603_1608Metric]  65.48 88.11 0 top
R2804  2.2 Ohm  [R_0603_1608Metric]  65.48 89.63 0 top
R2902  120 Ohm  [R_0603_1608Metric]  65.81 46.09 270 top
R2903  2.2 Ohm  [R_0603_1608Metric]  65.48 38.59 0 top
R2904  2.2 Ohm  [R_0603_1608Metric]  65.48 40.11 0 top
R3002  120 Ohm  [R_0603_1608Metric]  47.06 144.98 270 top
R3003  2.2 Ohm  [R_0603_1608Metric]  46.73 137.48 0 top
R3004  2.2 Ohm  [R_0603_1608Metric]  46.73 139 0 top
R3202  120 Ohm  [R_0603_1608Metric]  65.81 79.12 270 top
R3203  2.2 Ohm  [R_0603_1608Metric]  65.48 71.62 0 top
R3204  2.2 Ohm  [R_0603_1608Metric]  65.48 73.14 0 top
R3302  120 Ohm  [R_0603_1608Metric]  65.81 62.59 270 top
R3303  2.2 Ohm  [R_0603_1608Metric]  65.48 55.09 0 top
R3304  2.2 Ohm  [R_0603_1608Metric]  65.48 56.61 0 top
R3402  120 Ohm  [R_0603_1608Metric]  47.06 62.44 270 top
R3403  2.2 Ohm  [R_0603_1608Metric]  46.73 54.94 0 top
R3404  2.2 Ohm  [R_0603_1608Metric]  46.73 56.46 0 top
R3602  120 Ohm  [R_0603_1608Metric]  47.06 45.94 270 top
R3603  2.2 Ohm  [R_0603_1608Metric]  46.73 38.44 0 top
R3604  2.2 Ohm  [R_0603_1608Metric]  46.73 39.96 0 top
R3702  120 Ohm  [R_0603_1608Metric]  47.06 161.47 270 top
R3703  2.2 Ohm  [R_0603_1608Metric]  46.73 153.97 0 top
R3704  2.2 Ohm  [R_0603_1608Metric]  46.73 155.49 0 top
R3802  120 Ohm  [R_0603_1608Metric]  47.06 128.45 270 top
R3803  2.2 Ohm  [R_0603_1608Metric]  46.73 120.95 0 top
R3804  2.2 Ohm  [R_0603_1608Metric]  46.73 122.47 0 top
R3902  120 Ohm  [R_0603_1608Metric]  47.06 78.97 270 top
R3903  2.2 Ohm  [R_0603_1608Metric]  46.73 71.47 0 top
R3904  2.2 Ohm  [R_0603_1608Metric]  46.73 72.99 0 top
R4102  120 Ohm  [R_0603_1608Metric]  47.06 95.46 270 top
R4103  2.2 Ohm  [R_0603_1608Metric]  46.73 87.96 0 top
R4104  2.2 Ohm  [R_0603_1608Metric]  46.73 89.48 0 top
R4202  120 Ohm  [R_0603_1608Metric]  65.81 161.62 270 top
R4203  2.2 Ohm  [R_0603_1608Metric]  65.48 154.12 0 top
R4204  2.2 Ohm  [R_0603_1608Metric]  65.48 155.64 0 top
R4302  120 Ohm  [R_0603_1608Metric]  65.81 112.11 270 top
R4303  2.2 Ohm  [R_0603_1608Metric]  65.48 104.61 0 top
R4304  2.2 Ohm  [R_0603_1608Metric]  65.48 106.13 0 top
R4502  120 Ohm  [R_0603_1608Metric]  103.37 79.17 270 top
R4503  2.2 Ohm  [R_0603_1608Metric]  103.04 71.67 0 top
R4504  2.2 Ohm  [R_0603_1608Metric]  103.04 73.19 0 top
R4602  120 Ohm  [R_0603_1608Metric]  103.37 62.64 270 top
R4603  2.2 Ohm  [R_0603_1608Metric]  103.04 55.15 0 top
R4604  2.2 Ohm  [R_0603_1608Metric]  103.04 56.67 0 top
R4702  120 Ohm  [R_0603_1608Metric]  103.37 128.66 270 top
R4703  2.2 Ohm  [R_0603_1608Metric]  103.04 121.16 0 top
R4704  2.2 Ohm  [R_0603_1608Metric]  103.04 122.68 0 top
R4902  120 Ohm  [R_0603_1608Metric]  84.62 46 270 top
R4903  2.2 Ohm  [R_0603_1608Metric]  84.29 38.5 0 top
R4904  2.2 Ohm  [R_0603_1608Metric]  84.29 40.02 0 top
R5102  120 Ohm  [R_0603_1608Metric]  84.62 112.01 270 top
R5103  2.2 Ohm  [R_0603_1608Metric]  84.29 104.52 0 top
R5104  2.2 Ohm  [R_0603_1608Metric]  84.29 106.04 0 top
R5302  120 Ohm  [R_0603_1608Metric]  103.37 95.66 270 top
R5303  2.2 Ohm  [R_0603_1608Metric]  103.04 88.17 0 top
R5304  2.2 Ohm  [R_0603_1608Metric]  103.04 89.69 0 top
R5402  120 Ohm  [R_0603_1608Metric]  103.37 46.15 270 top
R5403  2.2 Ohm  [R_0603_1608Metric]  103.04 38.65 0 top
R5404  2.2 Ohm  [R_0603_1608Metric]  103.04 40.17 0 top
R5502  120 Ohm  [R_0603_1608Metric]  84.62 128.51 270 top
R5503  2.2 Ohm  [R_0603_1608Metric]  84.29 121.01 0 top
R5504  2.2 Ohm  [R_0603_1608Metric]  84.29 122.53 0 top
R5602  120 Ohm  [R_0603_1608Metric]  84.62 145.04 270 top
R5603  2.2 Ohm  [R_0603_1608Metric]  84.29 137.54 0 top
R5604  2.2 Ohm  [R_0603_1608Metric]  84.29 139.06 0 top
R5702  120 Ohm  [R_0603_1608Metric]  103.37 112.16 270 top
R5703  2.2 Ohm  [R_0603_1608Metric]  103.04 104.67 0 top
R5704  2.2 Ohm  [R_0603_1608Metric]  103.04 106.19 0 top
R5802  120 Ohm  [R_0603_1608Metric]  103.37 145.19 270 top
R5803  2.2 Ohm  [R_0603_1608Metric]  103.04 137.69 0 top
R5804  2.2 Ohm  [R_0603_1608Metric]  103.04 139.21 0 top
R6002  120 Ohm  [R_0603_1608Metric]  84.62 79.02 270 top
